# Altium PCB ControlBoard.PcbDoc (part 3 of 3)
Units mm, origin at the board's own origin, x right, y up, seen from the top; angles counter-clockwise.
Board outline 230 x 120 mm, 4 copper layers (Top Layer, GND, PWR, Bottom Layer), stack 0.778 mm thick; 165 components, 126 nets, 587 pads, 792 vias.
Unrouted connection lines stored in the file: 3.
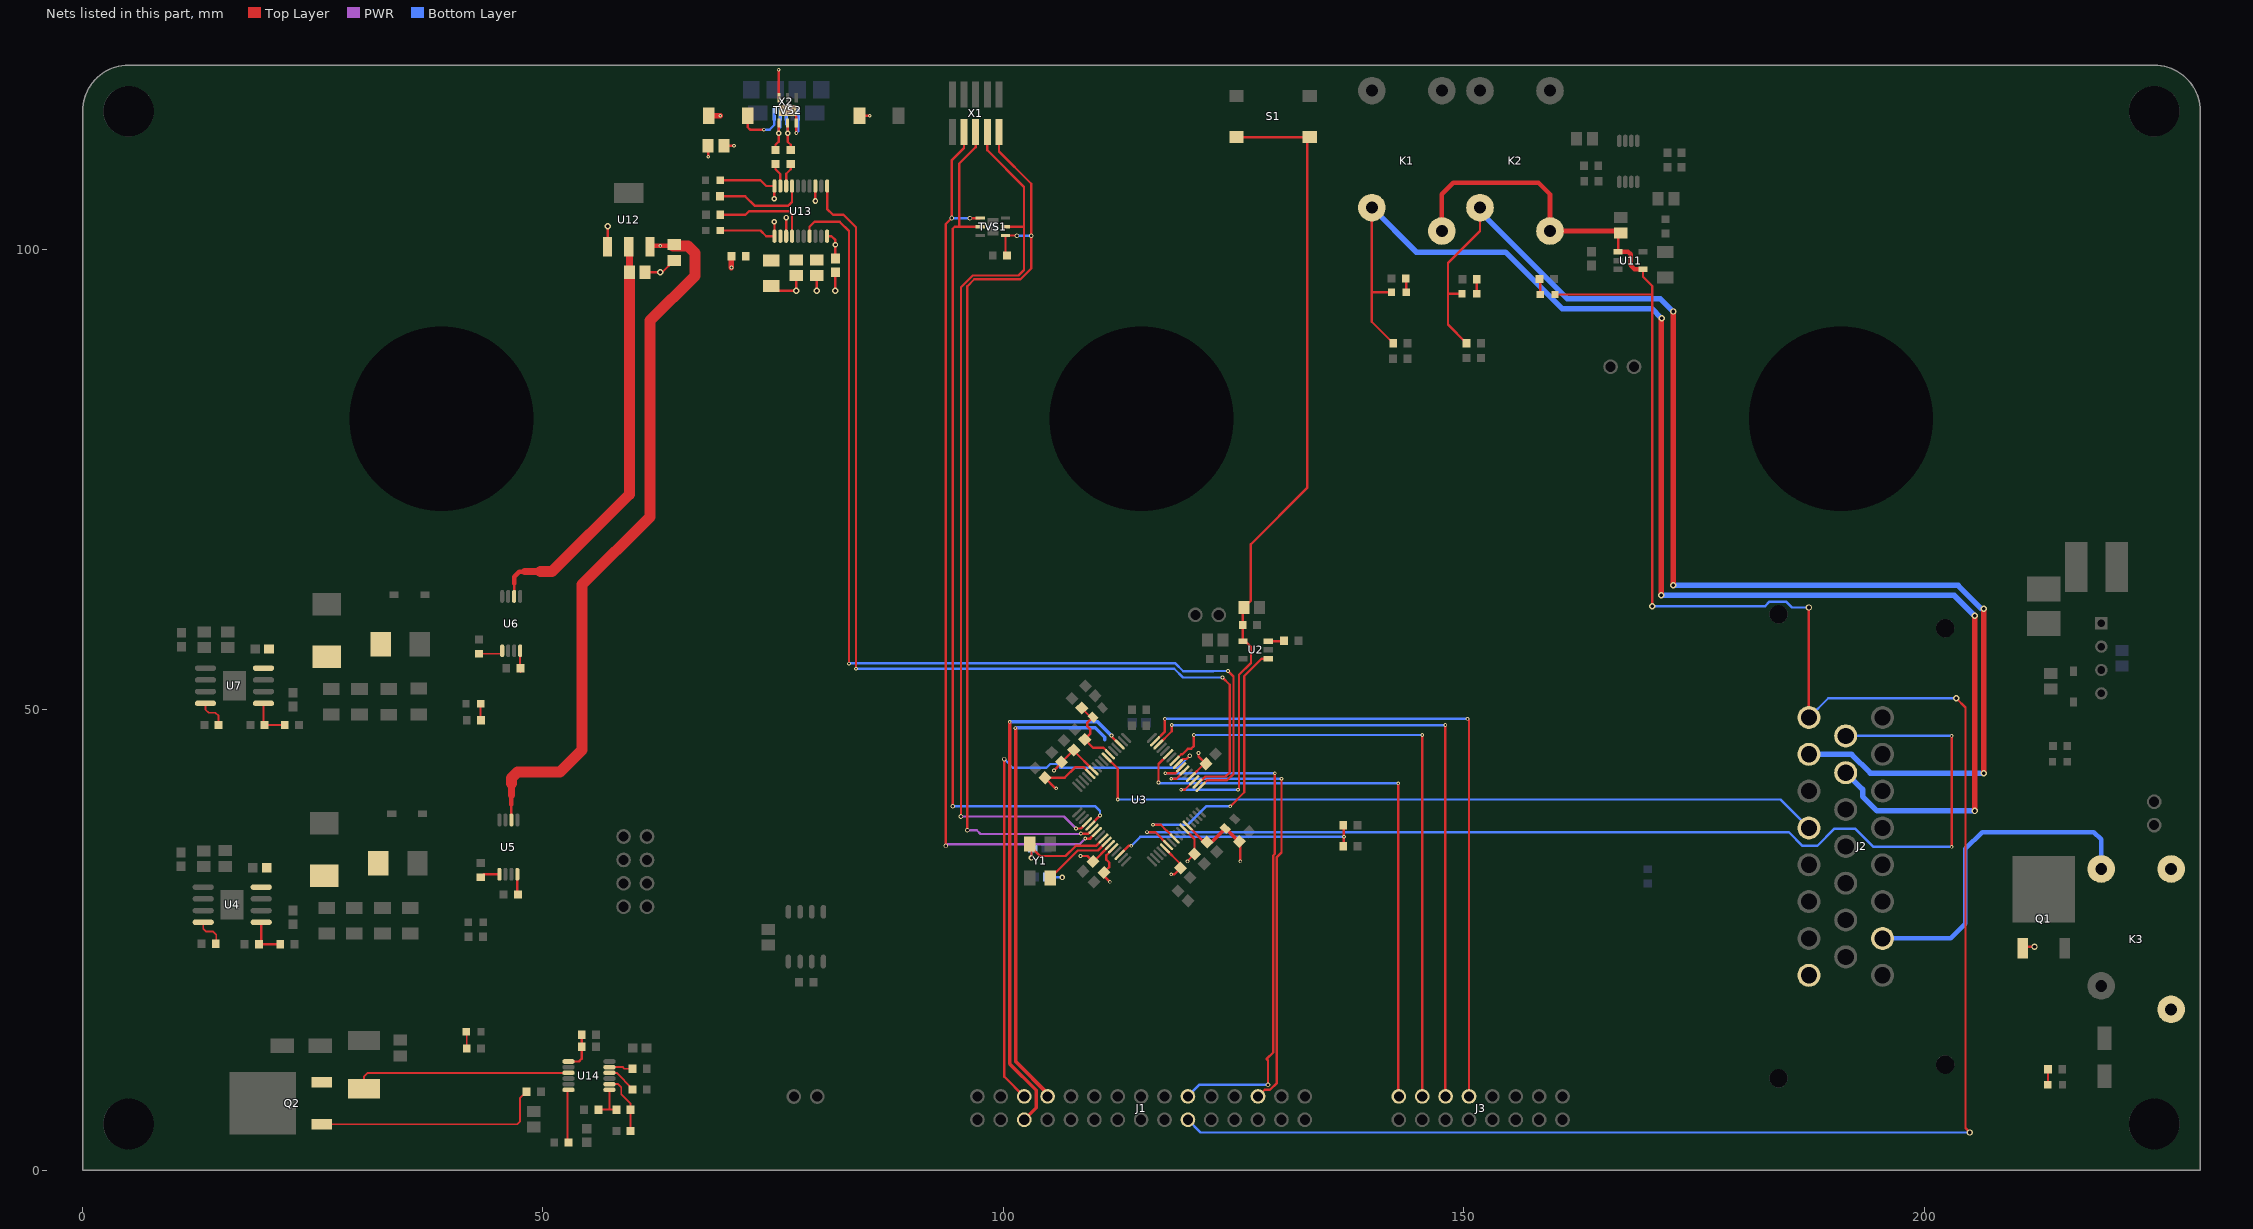
[diagram p5: the nets of this part, all layers, seen from the top]

## Via types
v1: diameter 0.7, hole 0.4, Top Layer to Bottom Layer, 574 vias
v2: diameter 0.4, hole 0.2, Top Layer to Bottom Layer, 116 vias
v3: diameter 0.6, hole 0.3, Top Layer to Bottom Layer, 56 vias
v4: diameter 0.5, hole 0.3, Top Layer to Bottom Layer, 28 vias
v5: diameter 0.5, hole 0.2, Top Layer to Bottom Layer, 12 vias
v6: diameter 2, hole 1, Top Layer to Bottom Layer, 4 vias
v7: diameter 0.7, hole 0.3, Top Layer to Bottom Layer, 2 vias

## Nets (pads, with @x,y where several pads share a name; then routed paths per layer and width w, separated by ;. In a path a pad name is that pad's centre, name@x,y a point inside that pad or via, vN(x,y) a via of type N, cw(c..) or ccw(c..) an arc to the next point about the centre after c; other vN are vias at no path point) (continued)
NetD6_2: D6.2 R38.2 | length 1.7
  Top Layer w0.254: D6.2@213.447,9.25 213.471,9.274 R38.2@213.471,10.95
NetD7_2: D7.2 R42.2 | length 1.8
  Top Layer w0.2: D7.2@41.675,15 41.725,14.95 R42.2@41.725,13.205
NetD8_2: D8.2 R25.2 | length 1.6
  Top Layer w0.2: R25.2@43.225,49.016 43.225,50.61 D8.2@43.25,50.635
NetD10_1: D10.1 J2.17 K2.4 R2.2 | length 146.7
  Top Layer w0.254: D10.1@149.821,95.158 148.3,95.158 ; R2.2@150.325,89.8 148.3,91.825 148.3,95.158 ; K2.4@151.779,104.527 151.779,101.979 148.3,98.5 148.3,95.158
  Top Layer w0.6: v1(172.75,63.5) v1(172.75,93.25) ; v1(206.5,43.1) v1(206.5,60.95)
  Bottom Layer w0.6: K2.4@151.779,104.527 151.779,104.121 161.246,94.654 171.346,94.654 v1(172.75,93.25) ; v1(172.75,63.5) 203.7,63.5 206.25,60.95 v1(206.5,60.95) ; J2.17@187.5,45.154 192.125,45.154 194.179,43.1 v1(206.5,43.1)
NetD10_2: D10.2 R13.2 | length 1.6
  Top Layer w0.254: D10.2@151.421,95.158 R13.2@151.42,96.744
NetD11_1: D11.1 J2.10 K1.4 R4.2 | length 156.5
  Top Layer w0.254: K1.4@140.029,104.527 140.029,95.4 ; D11.1@142.17,95.35 140.079,95.35 140.029,95.4 ; R4.2@142.36,89.8 140.029,92.131 140.029,95.4
  Top Layer w0.6: v1(171.45,62.416) 171.45,92.45 v1(171.5,92.5) ; v1(205.5,39) v1(205.5,60.2)
  Bottom Layer w0.6: K1.4@140.029,104.527 144.852,99.704 154.546,99.704 160.696,93.554 170.446,93.554 v1(171.5,92.5) ; v1@171.666,62.416 203.284,62.416 v1(205.5,60.2) ; J2.10@191.5,43.154 193.325,41.329 193.325,40.575 194.9,39 v1(205.5,39)
NetD11_2: D11.2 R28.2 | length 1.5
  Top Layer w0.254: R28.2@143.72,96.838 143.77,96.788 D11.2@143.77,95.35
NetD12_2: D12.2 R1.2 | length 1.7
  Top Layer w0.254: R1.2@158.25,96.767 158.325,96.692 D12.2@158.325,95.1
NetFB3_1: FB3.1 X2.1 | length 5.6
  Top Layer w0.254: FB3.1@72.25,114.5 72.25,113.25 72.5,113 v2(74,113)
  Bottom Layer w0.254: v2(74,113) 74.625,113 75.125,113.5 X2.1@75.125,114.675
NetJ2_7: J2.7 K3.2 | length 36.8
  Bottom Layer w0.5: J2.7@195.5,25.154 202.904,25.154 204.5,26.75 204.5,34.9 206.308,36.708 218.45,36.708 219.25,35.908 K3.2@219.25,32.7
NetJ2_9: J2.9 U3.54 | length 116.1
  Top Layer w0.254: v2(115.6,36.7) 116.498,36.7 U3.54@117.906,35.292 ; v2(202.998,47.154) 203,47.152 v2(203,35.1)
  Bottom Layer w0.254: v2(115.6,36.7) 185.3,36.7 186.792,35.208 188.408,35.208 190.279,37.079 192.521,37.079 194.5,35.1 v2(203,35.1) ; J2.9@191.5,47.154 v2(202.998,47.154)
NetJ2_19: J2.19 U3.23 | length 81.4
  Top Layer w0.254: U3.23@111.224,44.803 112.43,43.596 v2(112.43,40.25)
  Bottom Layer w0.254: v2(112.43,40.25) 184.404,40.25 J2.19@187.5,37.154
NetJ2_23: J2.23 K3.1 K3.3 Q1.1 | length 1.3
  Top Layer w0.254: Q1.1@210.72,24.1 210.87,24.25 v1(212,24.25)
NetJ3_1: J3.1 U3.11 | length 63.6
  Top Layer w0.254: v2(116.851,42.1) 116.851,44.09 U3.11@117.911,45.151 ; v2(142.9,42) 142.9,8.06 J3.1@142.96,8
  Bottom Layer w0.254: v2(116.851,42.1) 116.959,41.992 142.892,41.992 v2(142.9,42)
NetJ3_3: J3.3 U3.9 | length 68
  Top Layer w0.254: U3.9@118.613,44.449 119.319,45.155 119.455,45.155 120.05,45.75 120.4,45.75 120.7,46.05 v2(120.7,47.25) ; J3.3@145.5,8 v2(145.5,47.25)
  Bottom Layer w0.254: v2(120.7,47.25) v2(145.5,47.25)
NetJ3_5: J3.5 U3.14 | length 72.8
  Top Layer w0.254: U3.14@116.854,46.209 118.296,47.651 v2(118.296,48.326) ; J3.5@148.016,8 v2(148.016,48.326)
  Bottom Layer w0.254: v2(118.296,48.326) v2(148.016,48.326)
NetJ3_7: J3.7 U3.15 | length 76.8
  Top Layer w0.254: U3.15@116.494,46.568 117.552,47.626 v2(117.552,49) ; v2(150.426,49) 150.58,48.846 J3.7@150.58,8
  Bottom Layer w0.254: v2(117.552,49) v2(150.426,49)
NetQ2_1: Q2.1 R40.2 | length 25.2
  Top Layer w0.2: Q2.1@25.975,4.97 47.22,4.97 47.5,5.25 47.5,7.775 R40.2@48.225,8.5
NetQ2_3: Q2.3 R39.2 U14.3 | length 23.7
  Top Layer w0.2: R39.2@30.575,8.825 30.575,10.175 30.957,10.557 U14.3@52.775,10.557
NetR7_1: R7.1 U2.3 | length 1.7
  Top Layer w0.254: U2.3@128.775,57.45 130.45,57.45 R7.1@130.5,57.5
NetR9_1: R9.1 R10.1 U3.46 | length 27.8
  Top Layer w0.254: U3.46@112.638,34.232 113.614,35.208 v2(113.9,35.208) ; R9.1@136.915,37.45 136.979,37.386 136.979,36.2 R10.1@136.979,34.889
  Bottom Layer w0.254: v2(113.9,35.208) 114.892,36.2 v2(137,36.2)
NetR15_1: R15.1 U5.1 | length 2.2
  Top Layer w0.254: R15.1@43.25,31.795 43.575,32.12 U5.1@45.275,32.12
NetR16_2: R16.2 U5.4 | length 2.2
  Top Layer w0.254: U5.4@47.225,32.12 47.225,29.97 R16.2@47.275,29.92
NetR17_2: R17.2 R20.2 U4.5 | length 4.8
  Top Layer w0.254: U4.5@19.4,26.915 19.4,24.772 R20.2@19.15,24.522 R17.2@21.475,24.522
NetR21_1: R21.1 R26.2 U7.5 | length 4.6
  Top Layer w0.2: U7.5@19.65,50.695 19.65,48.467 R26.2@19.775,48.342 21.934,48.342 R21.1@21.95,48.326
NetR22_1: R22.1 U6.1 | length 2.5
  Top Layer w0.2: R22.1@43.049,56.075 U6.1@45.574,56.075
NetR23_2: R23.2 U6.4 | length 2.3
  Top Layer w0.2: U6.4@47.524,56.4 47.524,54.15 R23.2@47.574,54.1
NetR34_1: R34.1 U13.14 | length 10.5
  Top Layer w0.254: R34.1@69.25,103.75 72,103.75 72.376,104.126 76.702,104.126 77.055,103.773 U13.14@77.055,101.425
NetR35_1: R35.1 U13.7 | length 10.1
  Top Layer w0.254: R35.1@69.225,105.75 71.975,105.75 72.975,104.75 76.66,104.75 77.055,105.145 U13.7@77.055,106.875
NetR41_1: R41.1 R46.1 U14.1 | length 4.2
  Top Layer w0.254: U14.1@52.775,11.787 53.912,11.787 54.225,12.1 R41.1@54.225,13.4 R46.1@54.225,14.69
NetR43_1: R43.1 R47.2 U14.8 | length 6.6
  Top Layer w0.2: U14.8@57.225,9.327 58.172,9.327 58.5,9 58.5,8.25 59.5,7.25 59.5,6.25 59.5,4.29 R43.1@59.525,4.265
NetR44_1: R44.1 U14.6 | length 5.7
  Top Layer w0.2: R44.1@52.75,3.04 52.674,3.116 52.674,8.612 U14.6@52.775,8.712
NetR45_2: R45.2 U14.11 | length 2.8
  Top Layer w0.2: U14.11@57.225,11.172 58.683,11.172 58.855,11 R45.2@59.725,11 R45.2@59.553,11.172
NetR47_1: R47.1 R49.2 U14.7 | length 4.1
  Top Layer w0.2: R49.2@56.025,6.58 57.225,6.58 ; U14.7@57.225,8.712 57.225,6.58 ; R47.1@57.91,6.29 R47.1@57.95,6.25 ; R47.1@57.91,6.58 57.225,6.58
NetR48_2: R48.2 U14.10 | length 3.2
  Top Layer w0.2: U14.10@57.225,10.557 58.018,10.557 R48.2@59.725,8.851
NetU3_1: U3.1 U13.17 | length 110
  Top Layer w0.254: U13.17@78.96,101.425 78.96,102.46 79.5,103 82.225,103 83.25,101.975 v2(83.25,55) ; U3.1@121.441,41.621 122.148,42.328 124.305,42.328 125,43.023 125,53.6 v2(124.4,54.2)
  Bottom Layer w0.254: v2(83.25,55) 83.276,55.026 118.698,55.026 119.539,54.185 122.803,54.185 122.818,54.2 v2(124.4,54.2)
NetU3_2: U3.2 U13.1 | length 109.2
  Top Layer w0.254: U13.1@80.865,106.875 80.865,104.385 81.5,103.75 82.652,103.75 84,102.402 v2(84,54.445) ; U3.2@121.088,41.974 121.185,41.974 121.947,42.736 124.136,42.736 124.592,43.192 124.592,52.708 v2(123.8,53.5)
  Bottom Layer w0.254: v2(84,54.445) 118.561,54.445 119.506,53.5 v2(123.8,53.5)
P-TEMP-1: J1.25 U3.8 | length 60.6
  Top Layer w0.254: v4(100.1,44.629) 100.1,10.15 J1.25@102.26,7.99 ; U3.8@118.972,44.09 119.529,44.647 119.897,44.647 v4(120.25,45)
  Bottom Layer w0.254: v4(100.1,44.629) 101.029,43.7 104.7,43.7 105.1,44.1 105.8,44.1 106.2,43.7 118.95,43.7 v4(120.25,45)
P-TEMP-2: J1.11 U3.7 | length 57.4
  Top Layer w0.254: v2(117.6,43.1) 118.7,43.1 U3.7@119.331,43.731 ; v4(128.75,9.25) 128.75,11.9 128.6,12.05 129.311,12.761 129.311,34.168 129.5,34.357 v2(129.5,43.1)
  Bottom Layer w0.254: v2(117.6,43.1) v2(129.5,43.1) ; J1.11@120.05,8 120.05,8.05 121.25,9.25 v4(128.75,9.25)
P-TEMP-3: J1.5 U3.6 | length 49.7
  Top Layer w0.254: v2(118.25,42.5) 118.819,42.5 U3.6@119.69,43.372 ; J1.5@127.67,8 128.389,8.719 128.97,8.719 129.719,9.468 129.719,33.999 130.21,34.49 v2(130.21,42.5)
  Bottom Layer w0.254: v2(118.25,42.5) v2(130.21,42.5)
RT_3V3: R24.2 U7.4 | length 3.4
  Top Layer w0.2: U7.4@13.35,50.695 13.35,50 13.68,49.67 14.43,49.67 14.775,49.325 R24.2@14.775,48.342
RT_5V: R18.2 U4.4 | length 3.4
  Top Layer w0.2: U4.4@13.1,26.915 13.1,26.22 13.43,25.89 14.18,25.89 14.525,25.545 R18.2@14.525,24.562
SHDN-SIG: C40.2 D12.1 J1.12 J2.16 K1.3 K2.3 U11.1 U11.4 | length 261.9
  Top Layer w0.254: D12.1@159.925,95.1 170.475,95.1 170.5,95.125 ; U11.1@166.779,99.725 C40.2@166.779,101.475 ; C40.2@167.041,101.737 C40.2@167.054,101.75 ; U11.4@169.479,97.825 169.479,97.021 170.5,96 170.5,95.125 ; v1(170.5,61.25) 170.5,94.75 170.5,95.125 ; J2.16@187.5,49.154 v1(187.5,61.1) ; v1(203.5,51.25) 204.5,50.25 204.5,4.55 v1(204.975,4.075)
  Top Layer w0.5: K1.3@147.629,101.987 147.629,106 148.879,107.25 158.129,107.25 159.379,106 K2.3@159.379,101.987 C40.2@167.316,101.987 ; U11.1@166.779,99.725 167.854,99.725 168.129,99.45 168.129,98.25 168.554,97.825 U11.4@169.479,97.825
  Bottom Layer w0.254: J1.12@120.05,5.46 121.435,4.075 v1(204.975,4.075) ; v1(170.5,61.25) 182.75,61.25 183.235,61.735 185.015,61.735 185.65,61.1 v1(187.5,61.1) ; J2.16@187.5,49.154 189.596,51.25 v1(203.5,51.25)
SW_3V3: C32.1 D9.1 L2.1 U7.8
SW_5V: C21.1 D2.1 L1.1 U4.8
TCK: TVS1.2 U3.36 X1.4 | length 97.9
  Top Layer w0.254: v4(95.4,38.4) 95.4,95.877 96.681,97.158 101.658,97.158 102.252,97.752 102.252,102.457 ; X1.4@98.27,112.75 98.27,110.75 102.252,106.768 102.252,102.457 ; TVS1.2@100.47,102.457 102.252,102.457 ; v2@107.914,37.114 v2(107.9,37.1) 108.435,37.1 U3.36@108.948,37.613
  PWR w0.254: v4(95.4,38.4) 106.6,38.4 v2(107.9,37.1)
TDI: TVS1.4 U3.39 X1.8 | length 98.5
  Top Layer w0.254: v4(93.75,35.2) 93.75,102.452 93.75,102.757 v4(94.4,103.407) 94.4,109.7 94.43,109.7 95.73,111 X1.8@95.73,112.75 ; v4(96.375,103.375) 97.473,103.375 TVS1.4@97.505,103.407 ; v2(108.9,35.999) 109.433,35.999 U3.39@110.152,36.718
  PWR w0.254: v4(93.75,35.2) 93.95,35.4 108.301,35.4 v2(108.9,35.999)
  Bottom Layer w0.254: v4(94.4,103.407) 94.432,103.375 v4(96.375,103.375)
TDO: TVS1.5 U3.37 X1.6 | length 95.3
  Top Layer w0.254: v4(94.5,39.5) 94.5,102.075 94.5,102.225 94.732,102.457 95.25,102.457 ; X1.6@97,112.75 97,111.1 95.2,109.3 95.2,102.507 95.25,102.457 ; TVS1.5@97.73,102.457 TVS1.5@97.505,102.457 95.25,102.457 ; U3.37@109.456,37.456 v2(110.5,38.5)
  Bottom Layer w0.254: v4(94.5,39.5) 110,39.5 110.5,39 v2(110.5,38.5)
TMS: R5.2 TVS1.1 U3.38 X1.2 | length 101.6
  Top Layer w0.254: v4(96.1,36.9) 96.1,96 96.85,96.75 101.87,96.75 103.04,97.92 v4(103.04,101.475) 103.04,107.113 99.54,110.613 X1.2@99.54,112.75 ; R5.2@100.4,99.325 100.245,99.48 TVS1.1@100.245,101.507 101.443,101.507 v4(101.475,101.475) ; v2(108.423,36.543) 109.258,36.543 U3.38@109.336,36.62
  PWR w0.254: v4(96.1,36.9) 97.12,36.9 97.522,36.498 108.378,36.498 v2(108.423,36.543)
  Bottom Layer w0.254: v4(101.475,101.475) v4(103.04,101.475)
USB-3V3: C47.2 U6.6 U12.2 | length 45.4
  Top Layer w0.254: 46.874,63.706 U6.6@46.874,62.3 U6.6@46.918,62.344
  Top Layer w0.5: 46.874,63.706 46.874,64.456 47.418,65 48,65
  Top Layer w0.75: 48,65 49.75,65
  Top Layer w0.8: U12.2@59.323,100.275 59.4,100.198 C47.2@59.4,97.5
  Top Layer w1.2: 49.75,65 51,65 59.4,73.4 C47.2@59.4,97.5
USB-5V: C43.2 C48.1 FB3.2 R33.2 TVS2.6 U5.6 U12.3 | length 84.6
  Top Layer w0.254: U5.6@46.619,38.064 U5.6@46.575,38.02 46.575,39.698 46.624,39.747
  Top Layer w0.3: v2(67.95,110.05) C48.1@67.95,111.25 ; v2(75.6,119.5) 75.625,119.475 TVS2.6@75.625,116.47
  Top Layer w0.5: 46.575,39.698 46.575,40.701 ; U12.3@61.623,100.275 61.723,100.375 v2(62.75,100.375) C43.2@64.125,100.375
  Top Layer w0.6: FB3.2@68.01,114.5 v2(69.25,114.5) ; v2(70.475,98.025) R33.2@70.475,99.25
  Top Layer w0.75: 46.57,42 46.575,40.701
  Top Layer w1.2: 46.57,42 46.57,42.595 ; 46.619,42.644 47.225,43.25 51.861,43.25 54.25,45.639 54.25,63.575 61.623,70.948 61.623,92.25 66.5,97.127 66.5,99.625 65.75,100.375 C43.2@64.125,100.375
USB-GND: C43.1 C44.1 C45.1 C46.1 C47.1 C48.2 C49.1 FB4.1 TVS2.3 TVS2.7 U12.1 U13.3 U13.13 X2.5 | length 25.2
  Top Layer w0.254: U12.1@57.023,100.275 v1(57.023,102.5) ; C47.1@61.1,97.5 v1(62.75,97.5) 62.95,97.5 C43.1@64.25,98.8 ; C45.1@74.79,96 75.29,95.5 v1(77.5,95.5) C46.1@77.5,97.15 ; U13.13@76.42,101.425 v3(76.42,103.445) ; TVS2.7@76.575,115.1 76.825,115.1 77.525,114.4 TVS2.3@77.525,113.73 v2(77.525,112.625) ; v3(79.595,105.25) U13.3@79.595,106.875 ; v1(79.75,95.5) C44.1@79.75,97.15 ; v1(81.75,95.5) 81.766,95.516 C49.1@81.766,97.5
  Top Layer w0.3: C48.2@69.65,111.25 v2(70.75,111.25) ; FB4.1@84.38,114.5 v2(85.5,114.5)
  Bottom Layer w0.254: v2(77.525,112.625) 77.725,112.825 X2.5@77.725,114.675
USB-VCC: C44.2 C45.2 C46.2 R33.1 U13.12
USB_D1_N: R36.2 U13.9 | length 2.6
  Top Layer w0.254: R36.2@75.26,109.25 75.26,108.698 75.785,108.173 U13.9@75.785,106.875
USB_D1_P: R37.2 U13.8 | length 2.6
  Top Layer w0.254: U13.8@76.42,106.875 76.42,108.208 76.91,108.698 R37.2@76.91,109.25
USB_D_N: R36.1 TVS2.1 X2.2 | length 5.9
  Top Layer w0.254: R36.1@75.26,110.8 75.26,111.352 75.6,111.692 v3(75.6,112.6) 75.625,112.625 TVS2.1@75.625,113.73 TVS2.1@75.625,113.875
  Bottom Layer w0.254: v3(75.6,112.6) 75.6,113.1 75.775,113.275 X2.2@75.775,114.675 X2.2@75.775,115.175
USB_D_P: R37.1 TVS2.2 X2.3 | length 5.9
  Top Layer w0.254: TVS2.2@76.575,113.875 TVS2.2@76.575,113.73 76.575,112.625 v3(76.6,112.6) 76.6,111.662 76.91,111.352 R37.1@76.91,110.8
  Bottom Layer w0.254: X2.3@76.425,115.175 X2.3@76.425,114.675 76.425,113.594 76.6,113.419 v3(76.6,112.6) v3@76.563,112.6
USB_VCCIO: C49.2 D4.1 D5.1 U13.10 U13.11 U13.20 | length 18.3
  Top Layer w0.254: D5.1@69.25,107.5 73.625,107.5 74.25,106.875 U13.10@75.15,106.875 75.125,106.85 v3(75.125,105.5) ; D4.1@69.275,102.05 73.625,102.05 74.25,101.425 U13.11@75.15,101.425 75.15,102.975 v3(75.125,103) ; U13.20@80.865,101.425 81.341,101.425 81.766,101 C49.2@81.766,99
  other v3: 81.766,100.5
VDD: C6.2 C7.2 C8.2 C9.2 C10.2 U3.4 U3.27 U3.44 U3.59 | length 18.8
  Top Layer w0.254: v2(105.5,43.4) 106.33,44.23 C10.2@106.33,44.308 ; C10.2@106.35,44.308 C7.2@107.65,45.608 107.65,45.548 U3.27@109.809,43.389 ; v2(111.577,31.3) 110.93,31.947 C8.2@110.93,32.33 111.5,32.9 111.5,33.4 111.2,33.7 111.2,34.185 U3.44@111.942,34.927 ; U3.59@119.673,37.06 120.77,35.964 C9.2@120.77,34.33 v2@119.982,33.543 ; U3.4@120.381,42.681 121.825,44.126 C6.2@122,44.126 121.2,44.926 v2(121.2,45.3)
  other v2: 120,33.524
VDDA: C11.2 C17.2 FB1.2 U3.22 | length 8.1
  Top Layer w0.254: C17.2@108.529,50.165 109.507,49.187 FB1.2@109.737,49.187 109.102,48.552 109.102,48.233 109.433,47.902 109.433,47.351 C11.2@108.852,46.77 109.758,45.863 110.87,45.863 U3.22@111.577,45.156
VDDIO: C12.2 C13.2 C14.2 C15.2 C19.2 FB2.2 U3.28 U3.43 U3.53 U3.60 | length 25.2
  Top Layer w0.254: v2(105.75,41.45) 105.685,41.45 C12.2@104.53,42.605 106.663,42.605 107.789,43.731 108.76,43.731 U3.28@109.456,43.035 ; v2(108.395,34.1) 109.15,34.1 C13.2@109.73,33.52 ; C13.2@109.554,33.325 109.622,33.325 U3.43@111.583,35.287 ; U3.53@117.552,34.939 119.23,33.261 C15.2@119.23,32.82 119.23,32.771 118.573,32.115 v2(118.25,32.115) ; C15.2@119.307,33.157 C15.2@119.307,33.184 ; U3.60@120.027,37.414 121.81,35.63 C14.2@122.124,35.63 C14.2@122.63,35.63 ; C19.2@125.636,35.677 125.75,35.563 v2(125.75,33.524)
  Top Layer w0.4: C14.2@122.63,35.63 124.125,37.125 124.137,37.113 125.25,36
Vsns_N: J1.23 | length 52
  Top Layer w0.381: v2@101.335,48 101.335,47.163 101.335,26.13 101.328,26.124 101.328,24.818 101.335,24.811 101.335,11.783 104.964,8.154 J1.23@104.81,8
  Bottom Layer w0.381: v2(101.3,48) 101.344,48.044 109.969,48.044 111,47.013 111,46.75
Vsns_P: J1.26 U3.19 | length 58
  Top Layer w0.254: v2(111.754,47.2) 111.754,47.1 U3.19@112.638,46.217
  Top Layer w0.381: v2(100.7,48.679) 100.7,47.426 100.7,26.393 100.693,26.387 100.693,24.555 100.7,24.548 100.7,11.52 103.566,8.654 103.566,6.755 J1.26@102.27,5.46
  Bottom Layer w0.381: v2(100.7,48.679) 110.232,48.679 110.581,48.331 111.712,47.2 v2(111.754,47.2)
WATCHDOG: U2.1 U3.56 | length 30.4
  Top Layer w0.254: v2(116.265,37.5) 117.091,37.5 117.74,36.852 117.75,36.862 U3.56@118.613,35.999 ; v2(124.65,39.5) 126.181,41.031 126.181,53.649 128.082,55.55 U2.1@128.775,55.55
  Bottom Layer w0.254: v2(116.265,37.5) 120,37.5 120.012,37.487 122.025,39.5 v2(124.65,39.5)
X\R\S\: C2.2 R6.2 S1.1 U2.4 U3.3 | length 90.8
  Top Layer w0.254: v2(119.319,41.3) 119.706,41.3 U3.3@120.734,42.328 ; S1.1@125.322,112.178 133.197,112.178 133.197,112.103 133,111.906 133,74.081 126.869,67.95 126.869,61.819 C2.2@126.15,61.1 126.025,60.975 U2.4@126.025,57.45 126.25,57.45 126.9,56.8 126.9,55.086 125.6,53.786 v2@125.6,41.3
  Bottom Layer w0.254: v2(119.319,41.3) v2(125.5,41.3)
XTAL1: C4.2 U3.42 Y1.3 | length 9.3
  Top Layer w0.254: Y1.3@105.1,31.721 108.079,34.7 110.278,34.7 U3.42@111.224,35.646
  Bottom Layer w0.254: C4.2@104.86,31.821 104.885,31.795 v3@106.43,31.795
  other v3: 106.4,31.787
XTAL2: C5.2 U3.41 Y1.1 | length 11.6
  Top Layer w0.254: Y1.1@102.9,35.421 103.06,35.261 Y1.1@103.06,35.04 ; v3(103.06,33.9) Y1.1@103.06,35.04 ; U3.41@110.798,35.939 110.067,35.208 107.869,35.208 106.761,34.1 104,34.1 Y1.1@103.06,35.04
  Bottom Layer w0.254: v3(103.06,33.9) 103.06,34.83 C5.2@103.2,34.97
pads on no net: J2.0 J2.3 J2.4 J3.9 J3.13 TVS2.4 TVS2.5 U1.5 U1.8 U5.2 U6.2 U12.4 U13.2 U13.4 U13.5 U13.6 U13.15 U13.16 U13.18 U13.19 X1.7 X1.10 X2. X2.4
copper on no net: | length 1.3
  Top Layer w0.254: v2(80.457,21.3) 80.457,22.633 80.468,22.645

## Polygon pours and split planes (outlines as drawn)
VDDIO on PWR "PWR-VDDIO" (solid, pour order 12): 105.431,42 105,41.569 105,30.481 106.66,28.82 122.614,28.82 126.75,32.956 126.75,34.441 125.877,35.314 122.819,35.314 120.205,32.7 117.527,32.7 115.227,30.4 111.705,30.4 111,31.105 111,37.177 106.177,42
VDD on PWR "PWR-VDD" (solid, pour order 8): 104.5,43.749 105,44.249 111.345,44.249 113.172,46.076 121.804,46.076 122.25,45.63 122.25,35.15 120.1,33 117.413,33 114.913,30.5 111.605,30.5 111,31.105 111,37.501 106.218,42.283 104.931,42.283 104.5,42.714
NetC52_2 on PWR "PWR-NetC52_2 2" (solid, pour order 178): 124,3.25 174.5,3.25 176.435,5.185 124,5.185
5V on PWR "PWR-5V" (solid, pour order 176): 107.668,10.75 107.875,10.75 108.75,9.875 108.75,7.388 109.201,6.937 110.531,6.937 111,7.406 111,9.75 112,10.75 112,11.372 107.668,11.372
5V on PWR "PWR-5V 1" (solid, pour order 174): 176,21.595 169.405,15 82.031,15 55.731,41.3 18.5,41.3 18.5,17.3 56.77,17.3 63.32,10.75 172.4,10.75 176,14.35
12V on PWR "PWR-12V" (solid, pour order 164): 123.559,3.5 123.751,3.692 123.751,9.149 123.247,9.653 121.703,9.653 121.3,9.25 121.3,6.75 109.079,6.75 108.423,7.406 108.423,9.377 107.418,10.382 62.75,10.382 62.75,3.5
USB-5V on PWR "PWR-USB-5V" (solid, pour order 160): 87.5,119.5 87.5,92.5 52,92.5 48.75,95.75 48.75,119.5
no net on PWR "PWR-No Net" (solid, pour order 158): 87,119.373
3V3 on PWR "PWR-3V3" (solid, pour order 156): 170,65.75 177.574,73.324 177.574,84.589 170,84.589
3V3 on PWR "PWR-3V3 1" (solid, remove dead copper, pour order 132): 18.565,42 18.565,61.815 21,64.25 85.75,64.25 91.25,69.75 91.25,116.75 94,119.5 134.729,119.5 134.729,101.771 135.75,100.75 135.75,87 138.161,84.589 172.25,84.589 172.25,19.254 168.496,15.5 82.186,15.5 55.686,42
12V on PWR "PWR-12V 3" (solid, pour order 130): 56.1,16.9 56.555,16.9 65.25,8.205 65.25,3.75 56.1,3.75
ISO-5V on PWR "PWR-ISO-5V" (solid, pour order 98): 229.5,64.25 229.5,112.75 222.75,119.5 137.25,119.5 137.25,105 137.25,87.706 139.206,85.75 205.25,85.75 205.25,74.25 211.75,67.75 211.75,64.25
ISO-5V on PWR "PWR-ISO-5V 1" (solid, pour order 96): 229.5,36 224.218,36 222.75,34.532 211.75,34.532 211.75,66.25 228.25,66.25 229.5,65
5V on PWR "PWR-5V 2" (solid, pour order 94): 124,5.5 175.25,5.5 182.7,12.95 184.75,12.95 184.75,23.25 203.75,23.25 209.75,29.25 209.75,67.25 205.75,71.25 178.25,71.25 173.75,66.75 173.75,14 171.75,12 125.046,12 124,10.954
no net on PWR "PWR-No Net 3" (solid, pour order 86): 121.539,5.4
12V on PWR "PWR-12V 1" (solid, pour order 84): 0.5,15.25 0.5,57.4 18,57.4 18,15.25
12V on PWR "PWR-12V 2" (solid, pour order 78): 56.627,3.75 56.627,16.9 0.5,16.9 0.5,6.75 10,6.75 10,3.75
NetC52_2 on PWR "PWR-NetC52_2" (solid, pour order 72): 182.75,0.5 6.25,0.5 6.25,3.339 174.089,3.339 182.75,12
NetC52_2 on PWR "PWR-NetC52_2 1" (solid, pour order 42): 220.539,22.75 221.25,22.039 221.25,18.5 225,14.75 229.5,14.75 229.5,8 222,0.5 182.625,0.5 182.625,12 207.5,12 218.25,22.75
NetJ2_23 on PWR "PWR-NetJ2_23 1" (solid, pour order 36): 191.5,19
NetJ2_23 on PWR "PWR-NetJ2_8" (solid, remove dead copper, pour order 28): 185.1,13 185.1,22.9 204.822,22.9 213.222,31.3 221.935,31.3 223.795,33.16 223.795,34.086 224.709,35 229.5,35 229.5,15.5 225.25,15.5 222.04,18.71 222.04,22.21 220.75,23.5 217.75,23.5 207.25,13
no net on Top Layer "Top Layer-No Net 1" (solid, pour order 180): 210.72,38.25
GND on Top Layer "Top Layer-GND 6" (solid, pour order 170): 205.5,23.5 208.27,23.5 209.27,24.5 229.5,24.5 229.5,12.705 205.505,12.705
12V on Top Layer "Top Layer-12V 2" (solid, pour order 166): 14.222,16.972 12.325,15.075 12.325,11.172 12.497,11 30,11 30,15.8 28.777,17.023
5V on Top Layer "Top Layer-5V 1" (solid, pour order 154): 45.626,36.97 52.201,36.97 52.951,36.22 52.951,22.581 51.562,21.193 45.003,21.193 44.25,21.945 44.25,27.119 44.701,27.57 46.301,27.57 46.701,27.97 46.701,28.695 46.976,28.97 48.152,28.97 48.152,33.603 47.451,34.304 45.076,34.304 45.076,34.537 44.826,34.787 44.826,35.92 45.626,36.72
3V3 on Top Layer "Top Layer-3V3" (solid, pour order 152): 45.925,61.25 52.5,61.25 53.25,60.5 53.25,46.861 51.861,45.472 45.302,45.472 44.524,46.25 44.524,51.374 45,51.85 46.6,51.85 47,52.25 47,52.975 47.275,53.25 48.451,53.25 48.451,57.883 47.75,58.584 45.375,58.584 45.375,58.604 45.125,58.854 45.125,60.2 45.925,61
GND on Top Layer "Top Layer-GND" (solid, pour order 150): 46.57,62.3
GND on Top Layer "Top Layer-GND 1" (solid, pour order 148): 7.7,33.764 7.7,37.889 8.95,39.139 16.95,39.139 16.95,33.764
GND on Top Layer "Top Layer-GND 2" (solid, pour order 146): 7.75,57.625 7.75,61.75 9,63 17,63 17,57.625
GND on Top Layer "Top Layer-GND 3" (solid, pour order 144): 24.115,22.835 25.5,24.22 25.5,25.705 37.865,25.705 38.973,24.598 38.973,21.693 38,20.72 24.85,20.72 24.115,21.456
GND on Top Layer "Top Layer-GND 4" (solid, pour order 142): 24.213,20.8
GND on Top Layer "Top Layer-GND 5" (solid, pour order 138): 24.615,46.615 26,48 26,49.485 38.365,49.485 39.473,48.378 39.472,45.472 38.5,44.5 25.35,44.5 24.615,45.236
CON-GND on Top Layer "Top Layer-CON-GND 1" (solid, pour order 108): 229.5,36.25
no net on Top Layer "Top Layer-No Net" (solid, pour order 106): 229.5,36.25
USB-VCC on Top Layer "Top Layer-USB-VCC" (solid, pour order 88): 71.25,99.75 71.75,100.25 75.35,100.25 75.6,100.5 75.6,102 76,102 76,100.5 76.25,100.25 80.5,100.25 80.865,99.885 80.865,98.5 80.465,98.1 71.65,98.1 71.25,98.5
5V on Top Layer "Top Layer-5V" (solid, pour order 80): 218.25,68.25 207.25,68.25 205.75,66.75 205.75,63 207,61.75 217,61.75 218.25,63
5V-SUPP on Top Layer "Top Layer-5V-SUPP" (solid, pour order 58): 45.475,38.595 45.475,39.62 45.025,40.07 35.396,40.07 34.75,39.425 34.75,31.82 33.75,30.82 32,30.82 31.154,29.975 25.48,29.975 23.75,28.245 23.75,25.99 23.25,25.49 22.754,25.49 22.5,25.236 22.5,23.977 22.975,23.502 24.213,23.502 25.25,24.539 25.25,26.915 37.595,26.915 41.35,30.67 41.35,35.17 42.75,36.57 44.75,36.57 45.475,37.295
3V3-SUPP on Top Layer "Top Layer-3V3-SUPP" (solid, pour order 56): 45.75,62.35 45.725,62.375 45.725,63.4 45.275,63.85 35.646,63.85 35,63.204 35,55.6 34,54.6 32.25,54.6 31.404,53.754 25.73,53.754 23.9,51.925 23.9,49.67 23.5,49.27 23.004,49.27 22.75,49.016 22.75,47.756 23.225,47.281 24.931,47.281 25.75,48.1 25.75,50.695 37.845,50.695 41.6,54.45 41.6,58.95 43,60.35 45,60.35 45.75,61.1
SW_5V on Top Layer "Top Layer-SW_5V" (solid, pour order 50): 18.217,30.07 18.217,31.112 19.94,32.835 22.015,32.835 23.265,34.085 29.347,34.085 30.25,34.988 33.632,34.988 34,34.62 34,31.86 33.5,31.36 31.889,31.36 31,30.471 25.05,30.471 23.9,29.32 21.5,29.32 20.75,30.07
SW_3V3 on Top Layer "Top Layer-SW_3V3" (solid, pour order 48): 18.225,53.85 18.225,54.625 20.232,56.632 22.282,56.632 23.5,57.85 29.582,57.85 30.5,58.768 33.882,58.768 34.25,58.4 34.25,55.639 33.75,55.139 32.139,55.139 31.25,54.25 25.4,54.25 24.25,53.1 21.75,53.1 21,53.85
12V on Top Layer "Top Layer-12V" (solid, pour order 46): 7.811,24.169 6.5,25.479 6.5,32.335 7.695,33.53 16.885,33.53 16.885,32.201 16.242,31.558 12.028,31.558 11.5,31.03 11.5,29.78 14.25,29.78 14.25,27.78 11.25,27.78 11.25,25.626 10.5,24.876 10.5,24.169
12V on Top Layer "Top Layer-12V 1" (solid, pour order 44): 8.061,48.014 6.75,49.325 6.75,56.35 7.775,57.375 17,57.375 17,56.125 16.278,55.403 12.278,55.403 11.75,54.875 11.75,53.625 14.5,53.625 14.5,51.625 11.5,51.625 11.5,49.471 10.75,48.721 10.75,48.014
NetC52_2 on Top Layer "Top Layer-NetC52_2" (solid, pour order 40): 23.25,10.75 23.25,1.75 22,0.5 10.5,0.5 10.5,7.75 13.5,10.75
NetQ2_3 on Top Layer "Top Layer-NetQ2_3" (solid, pour order 32): 24.25,10.5 24.25,6.25 24.6,5.9 32.15,5.9 32.75,6.5 32.75,9.75 28.5,9.75 27.75,10.5
CON-GND on Top Layer "Top Layer-CON-GND" (solid, pour order 22): 229.5,35 229.5,25.5 209,25.5 207.75,24.25 205.5,24.25 205.5,35
GND on GND "GND-GND 1" (solid, pour order 118): 0.5,11.25 0.5,114 6,119.5 47,119.5 47,96 52.25,90.75 88.5,90.75 88.5,119.5 135,119.5 135,86.75 138.25,83.5 193.5,83.5 209,68 209,35 229.5,35 229.5,11.25
ISO-GND on GND "GND-ISO-GND 1" (solid, pour order 114): 229.5,36 211.75,36 211.75,67.75 193.75,85.75 139.25,85.75 137.25,87.75 137.25,119.5 229.5,119.5
USB-GND on GND "GND-USB-GND" (solid, pour order 112): 87.5,119.5 87.5,91.817 47.801,91.817 47.801,119.5
GND on GND "GND-GND 2" (solid, pour order 100): 70.25,120
GND on GND "GND-GND" (solid, pour order 26): 229.5,12 229.5,8 222,0.5 0.5,0.5 0.5,12
ISO-GND on Bottom Layer "Bottom Layer-ISO-GND" (solid, pour order 184): 229.5,119.6 229.5,36.1 211.8,36.1 211.8,67.7 193.75,85.75 139,85.75 137.25,87.5 137.25,119.6
GND on Bottom Layer "Bottom Layer-GND" (solid, pour order 168): 222.5,55.75 207.394,55.75 207,56.145 207,60.25 207.5,60.75 208.15,60.75 208.75,61.35 208.75,62.75 209.5,63.5 221.75,63.5 222.5,62.75
12V on Bottom Layer "Bottom Layer-12V" (solid, pour order 162): 11.75,16.25 7.75,12.25 7.75,5.5 9.5,3.75 62.5,3.75 62.75,3.5 120.929,3.5 123.75,6.321 123.75,9.55 121.85,9.55 121.3,9 121.3,7.05 108.87,7.05 108.42,7.5 108.42,9.38 107.8,10 63.5,10 57.25,16.25
NetC52_2 on Bottom Layer "Bottom Layer-NetC52_2" (solid, pour order 136): 229.5,12 229.5,8 222,0.5 7.75,0.5 5,3.25 13,3.25 174,3.25 182.75,12
USB_VCCIO on Bottom Layer "Bottom Layer-USB_VCCIO" (solid, pour order 110): 82.15,99.25 83.25,100.35 83.25,105.75 82.5,106.5 74.75,106.5 74,105.75 74,100 74.75,99.25
CON-GND on Bottom Layer "Bottom Layer-CON-GND" (solid, pour order 134): 229.5,36.25 206.78,36.25 205.5,34.97 205.5,24.5 204.5,23.5 195,23.5 193.25,21.75 193.25,12.75 229.5,12.75

## Keep-outs
PWR:
  circle w1.7: c5.089,5 r4.2
  circle w1.7: c225.089,5 r4.2
  circle w1.7: c225.089,115 r4.2
  circle w7: c191,81.5 r14
  circle w6: c115,81.5 r14
  circle w6: c39,81.5 r14
  circle w1.7: c5.089,115 r4.2
GND:
  circle w6.5: c191,81.6 r13.5
  circle w6.5: c115,81.6 r13.5
  circle w1.7: c5.089,5 r4.2
  circle w1.7: c225.089,5 r4.2
  circle w1.7: c225.089,115 r4.2
  circle w6.5: c39,81.6 r13.5
  circle w1.7: c5.089,115 r4.2
Bottom Layer:
  circle w1.7: c5.05,5 r4.2
  circle w1.7: c225.05,5 r4.2
  circle w1.7: c225.05,115 r4.2
  circle w1.7: c5.05,115 r4.2
Keep-Out Layer:
  circle w1.7: c4.589,127.5 r4.2

## Other copper
Bottom Layer:
  pour cut-out: 222.5,119.6 224.637,119.6 cw(c224.637,114.737) 229.5,114.737 229.5,111.25 231,111.25 231,120.5 222.474,120.5
  pour cut-out: 79,103.925

## Silkscreen, mask and mechanical layers (free items; w line width, h text height)
Top Overlay:
  drawing of 39 lines, arcs and shapes, not listed
  text "ANDREI DIVINAGRACIA" at 202,118 h1
  text "SPECTRE X90 REV 0A" at 11.25,117 h1.58
  text "USB" at 49.5,115 h3
  text "CONTROLS BOARD" at 11.25,114 h1.58
  text "z" at 107.65,113.5 h3
  text "RESET" at 125.25,109 h1.5
  text "JTAG" at 94,108.925 h1.5
  text "TX" at 70,106.5 h1.2
  text "RX" at 70,101.4 h1.2
  text "AIR+" at 138.62,92.2 h1.3
  text "SHDN IN" at 154.2,92.1 h1.3
  text "preCH" at 146,91.778 h1.3
  text "C" at 36.5,91.5 h5
  text "B" at 112.5,91.5 h5
  text "A" at 188.5,91.5 h5
  text "preCH" at 166.75,89 h1 r90
  text "AIR+" at 169,89 h1 r90
  text "12V" at 5.25,77.025 h2 r45
  text "5V" at 10.75,77.025 h2 r45
  text "3V3" at 15.753,77.025 h2 r45
  text "3" at 132,72.25 h11
  text "GND" at 10.75,68.275 h2 r45
  text "WD-DISABLE" at 119.706,63.844 h1
  text "1" at 193.341,49.79 h1
  text "ISO SUPPLY" at 229.1,49.79 h1.56 r90
  text "3V3" at 45.2,49.754 h1.56
  text "16" at 184.091,49.54 h1
  text "9" at 189.5,48 h1
  text "2" at 193.341,45.863 h1
  text "17" at 184.091,45.613 h1
  text "10" at 188.9,44.058 h1
  text "3" at 193.341,41.75 h1
  text "18" at 184.091,41.5 h1
  text "INTERNAL VREG" at 135.3,40.4 h1
  text "11" at 188.9,40.154 h1
  text "ISO-GND" at 217.185,39.5 h1
  text "4" at 193.341,37.489 h1
  text "19" at 184.091,37.239 h1
  text "ENABLE" at 139.9,37 h1
  text "ISO-5V" at 217.25,36.9 h1
  text "12" at 188.9,35.894 h1
  text "1" at 56.15,35.5 h1
  text "2" at 63.076,35.5 h1
  text "DISABLE" at 139.8,34.7 h1
  text "20" at 184.091,33.764 h1
  text "5" at 193.341,33.764 h1
  text "3" at 56,33.22 h1
  text "4" at 63.076,33 h1
  text "13" at 188.9,32.169 h1
  text "5" at 56,30.5 h1
  text "6" at 63.076,30.5 h1
  text "21" at 184.091,29.75 h1
  text "6" at 193.341,29.75 h1
  text "14" at 188.9,28.154 h1
  text "7" at 56,28 h1
  text "8" at 63,28 h1
  text "7-SEGMENT" at 57.75,26 h1
  text "7" at 193.341,25.75 h1
  text "22" at 184.091,25.5 h1
  text "5V" at 45.476,25.309 h1.56
  text "15" at 188.9,24 h1
  text "8" at 193.341,21.75 h1
  text "23" at 184.091,21.5 h1
  text "120ohm" at 70.75,19.9 h1
  text "12V" at 45.276,13.609 h1.56
  text "BOARD-TO-BOARD" at 120,11.75 h1
  text "29" at 97.75,9.75 h1 r90
  text "27" at 100.25,9.75 h1 r90
  text "25" at 102.75,9.75 h1 r90
  text "23" at 105.388,9.75 h1 r90
  text "21" at 107.903,9.75 h1 r90
  text "19" at 110.5,9.75 h1 r90
  text "17" at 113,9.75 h1 r90
  text "15" at 115.5,9.75 h1 r90
  text "13" at 118,9.75 h1 r90
  text "11" at 120.75,9.75 h1 r90
  text "9" at 123.25,9.75 h1 r90
  text "7" at 125.75,9.75 h1 r90
  text "5" at 128.25,9.75 h1 r90
  text "3" at 130.75,9.75 h1 r90
  text "1" at 133.25,9.75 h1 r90
  text "CANL" at 77.9,9.5 h1 r90
  text "CANH" at 80.457,9.5 h1 r90
  text "1" at 143.75,9.5 h1 r90
  text "3" at 146.25,9.5 h1 r90
  text "5" at 148.75,9.5 h1 r90
  text "7" at 151.25,9.5 h1 r90
  text "9" at 153.75,9.5 h1 r90
  text "11" at 156.25,9.5 h1 r90
  text "13" at 158.75,9.5 h1 r90
  text "15" at 161.25,9.5 h1 r90
  text "12V BAT" at 208.864,5.46 h1.56
  text "RESOLVER BREAKOUT" at 162.5,4.25 h1
  text "2" at 143.5,2.75 h1 r90
  text "4" at 146,2.75 h1 r90
  text "6" at 148.75,2.75 h1 r90
  text "8" at 151.25,2.75 h1 r90
  text "8" at 125.75,2.5 h1 r90
  text "6" at 128.25,2.5 h1 r90
  text "4" at 130.75,2.5 h1 r90
  text "2" at 133.5,2.5 h1 r90
  text "10" at 153.75,2 h1 r90
  text "12" at 156.5,2 h1 r90
  text "14" at 158.75,2 h1 r90
  text "16" at 161.25,2 h1 r90
  text "30" at 97.75,1.75 h1 r90
  text "28" at 100.25,1.75 h1 r90
  text "26" at 102.75,1.75 h1 r90
  text "24" at 105.388,1.75 h1 r90
  text "22" at 107.877,1.75 h1 r90
  text "20" at 110.5,1.75 h1 r90
  text "18" at 113,1.75 h1 r90
  text "16" at 115.5,1.75 h1 r90
  text "14" at 118,1.75 h1 r90
  text "12" at 120.75,1.75 h1 r90
  text "10" at 123.25,1.75 h1 r90
Bottom Overlay:
  drawing of 63 lines, arcs and shapes, not listed
  text "a" at 48,112.25 h10
  text "3" at 133.5,105.75 h11
  text "CAN+" at 201.75,48.5 h1
  text "SHDN-12V" at 185.25,48 h1
  text "SHDN-FLT" at 185.25,46.25 h1
  text "preAIR" at 185.25,44.5 h1
  text "CAN-" at 201.75,44.5 h1
  text "AIR+" at 185.25,43.1 h1
  text "AIR-GND" at 185.25,41.5 h1
  text "NC" at 200,40.5 h1
  text "ISO-GND" at 223.5,39.5 h1
  text "THR-5V" at 185.25,38.4 h1
  text "ISO-5V" at 223.5,36.9 h1
  text "THR-ADC" at 185.25,36.543 h1
  text "NC" at 200,36.5 h1
  text "5V" at 57.1,35.62 h1
  text "GND" at 65.7,35.62 h1
  text "THR-GND" at 185.25,34.8 h1
  text "D" at 57.1,33.12 h1
  text "A" at 63.7,33.12 h1
  text "eQEP-GND" at 185,32.252 h1
  text "MTR-TEMP" at 206,32.252 h1
  text "B" at 57.1,30.62 h1
  text "C" at 63.7,30.62 h1
  text "eQEP-5V" at 185,30.4 h1
  text "MTR-GND" at 205,28.75 h1
  text "eQEP-A" at 185,28.5 h1
  text "SEG2" at 57.2,28.12 h1
  text "SEG1" at 66.7,28.12 h1
  text "eQEP-STR" at 185,26.685 h1
  text "eQEP-B" at 185,24.75 h1
  text "KSI" at 200,24.522 h1
  text "eQEP-IND" at 185,23 h1
  text "BAT-GND" at 204.5,20.5 h1
  text "BAT-12V" at 185,20.25 h1
  text "ADC_C2" at 142.5,9.75 h1 r270
  text "ADC_A2" at 145,9.75 h1 r270
  text "ADC_A1" at 147.25,9.75 h1 r270
  text "ADC_A0" at 149.75,9.75 h1 r270
  text "NC" at 152.5,9.75 h1 r270
  text "GPIO6" at 155,9.75 h1 r270
  text "NC" at 157.5,9.75 h1 r270
  text "5V" at 160,9.75 h1 r270
  text "C+" at 96.75,9.339 h1 r270
  text "I_C+" at 99,9.339 h1 r270
  text "TEMP1" at 101.75,9.339 h1 r270
  text "Vsn-" at 104.25,9.339 h1 r270
  text "12V" at 106.75,9.339 h1 r270
  text "5V" at 109.25,9.339 h1 r270
  text "3V3" at 111.75,9.339 h1 r270
  text "B+" at 114.25,9.339 h1 r270
  text "12V" at 122.025,9.339 h1 r270
  text "5V" at 124.5,9.339 h1 r270
  text "I_B+" at 116.976,9.25 h1 r270
  text "TEMP2" at 119.5,9.25 h1 r270
  text "TEMP3" at 126.75,9.25 h1 r270
  text "A+" at 129.5,9.25 h1 r270
  text "I_A+" at 131.9,9.125 h1 r270
  text "C-" at 96.5,2.5 h1 r270
  text "B-" at 114.25,2.25 h1 r270
  text "A-" at 129.5,2.25 h1 r270
  text "STE" at 152.5,1.25 h1 r270
  text "CLK" at 157.5,1.25 h1 r270
  text "GND" at 104,1 h1 r270
  text "GND" at 106.54,1 h1 r270
  text "GND" at 109.29,1 h1 r270
  text "GND" at 111.64,1 h1 r270
  text "GND" at 121.78,1 h1 r270
  text "GND" at 124.4,1 h1 r270
  text "GND" at 126.88,1 h1 r270
  text "GND" at 142.15,1 h1 r270
  text "GND" at 144.9,1 h1 r270
  text "GND" at 147.25,1 h1 r270
  text "GND" at 150,1 h1 r270
  text "I_C-" at 99,0.5 h1 r270
  text "Vsn+" at 101.77,0.5 h1 r270
  text "I_V-" at 116.75,0.5 h1 r270
  text "I_A-" at 132.25,0.5 h1 r270
  text "SHDN" at 119.5,0.25 h1 r270
  text "MISO" at 155,0.25 h1 r270
  text "MOSI" at 159.75,0.25 h1 r270
BOARD:
  lines w0.2: 0,5 cw(c5,5) 5,10 ; 220,5 cw(c225,5) 225,10 ; 220,115 cw(c225,115) 225,120 ; 225,120 cw(c225,115) 230,115 230,11.5 230,0 0,0 0,115 cw(c5,115) 5,120 225,120